# Altium PCB ControllerV3.0.PcbDoc (part 1 of 2)
Units mil, origin at the board's own origin, x right, y up, seen from the top; angles counter-clockwise.
Board outline 2047.87 x 1968.5 mil, 4 copper layers (Top, Gnd, Signal, Bottom), stack 64 mil thick; 96 components, 90 nets, 382 pads, 224 vias.
Unrouted connection lines stored in the file: 72.
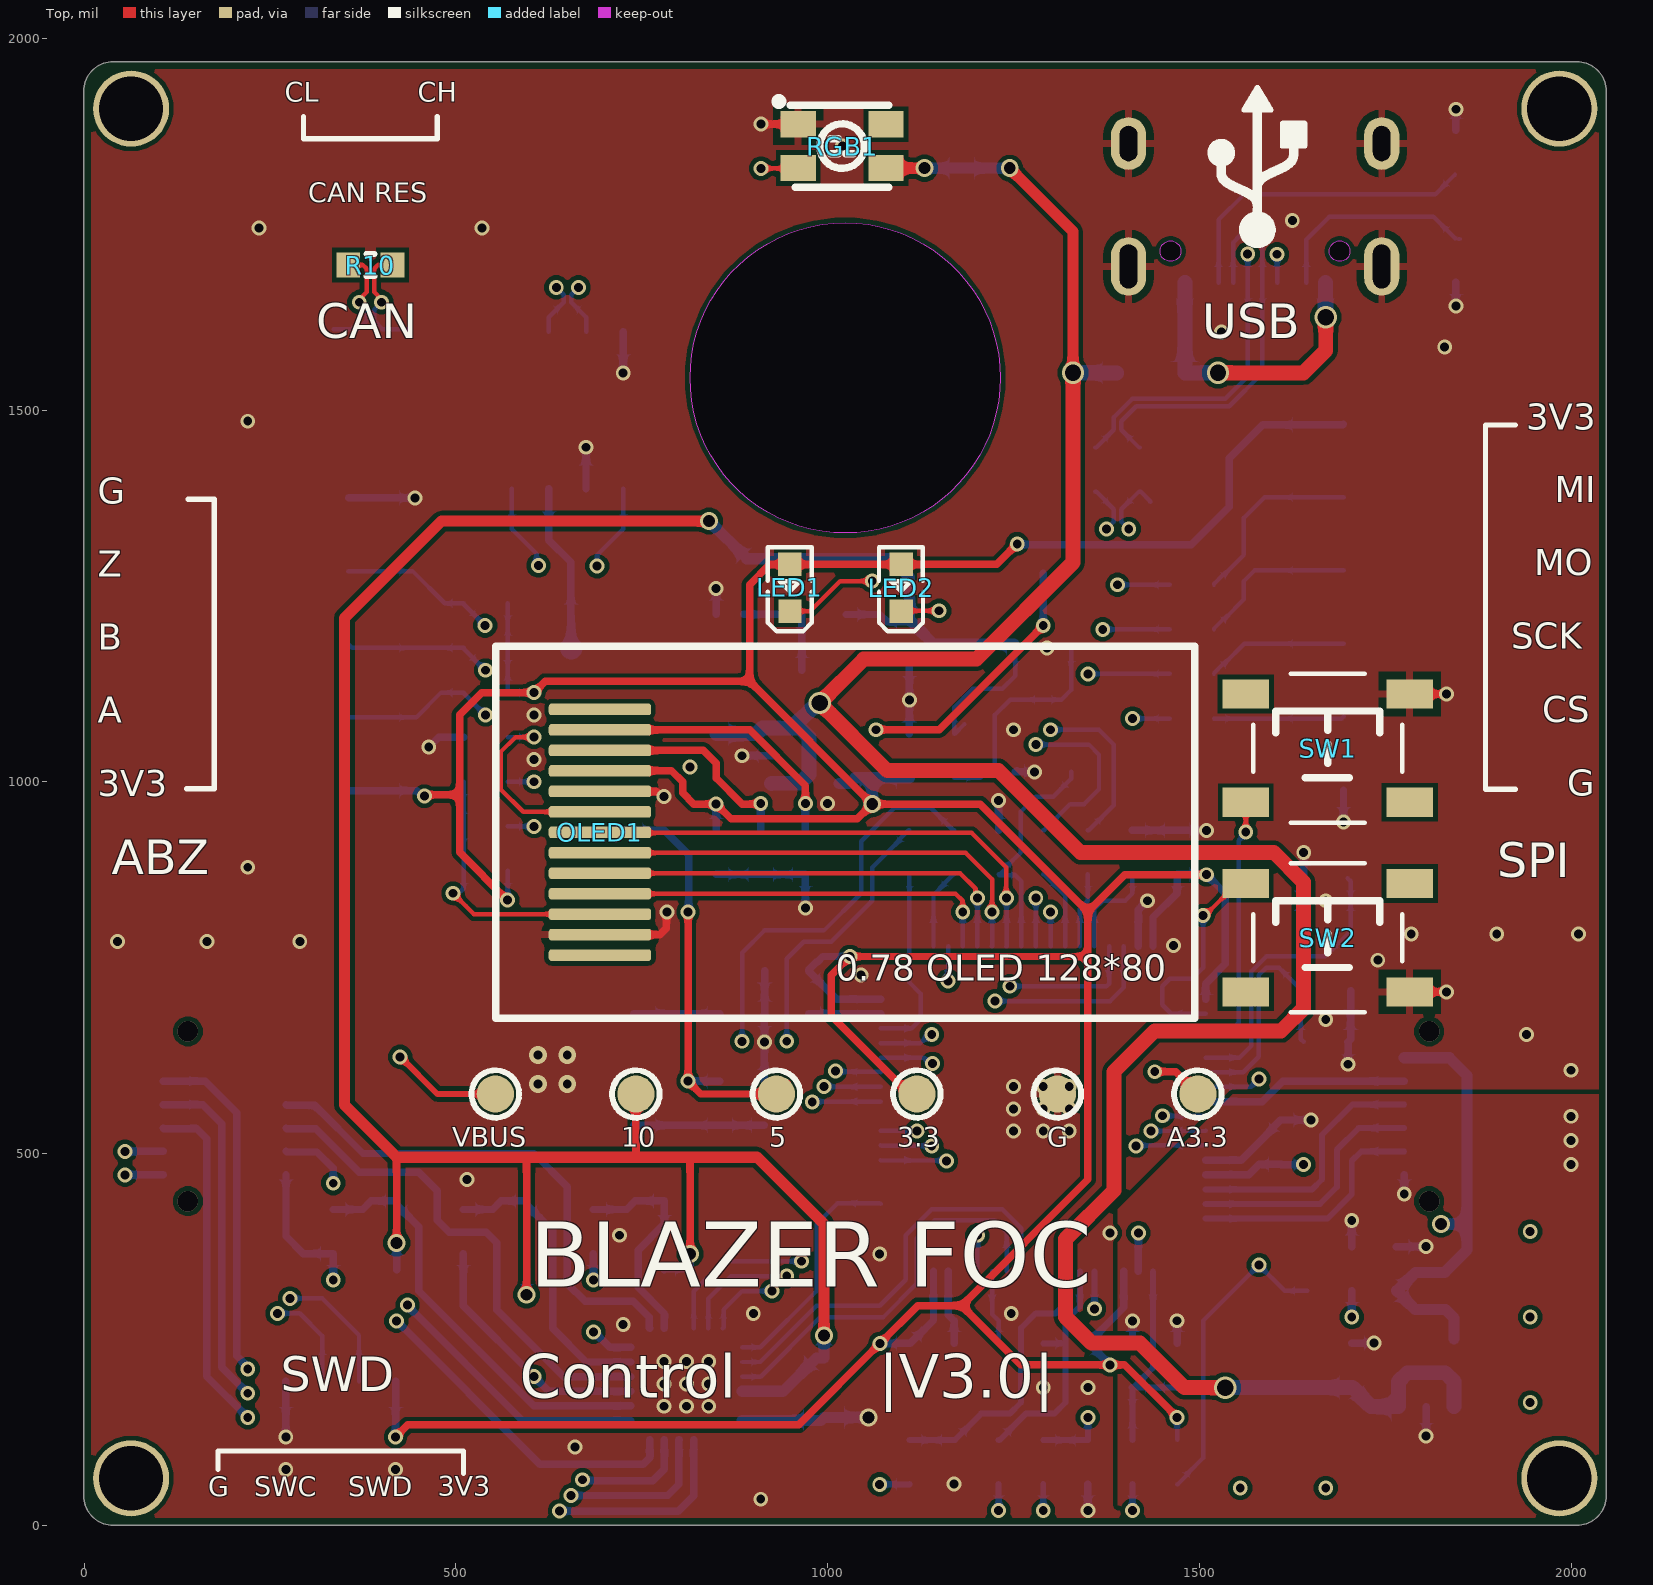
[diagram p0: Top view]
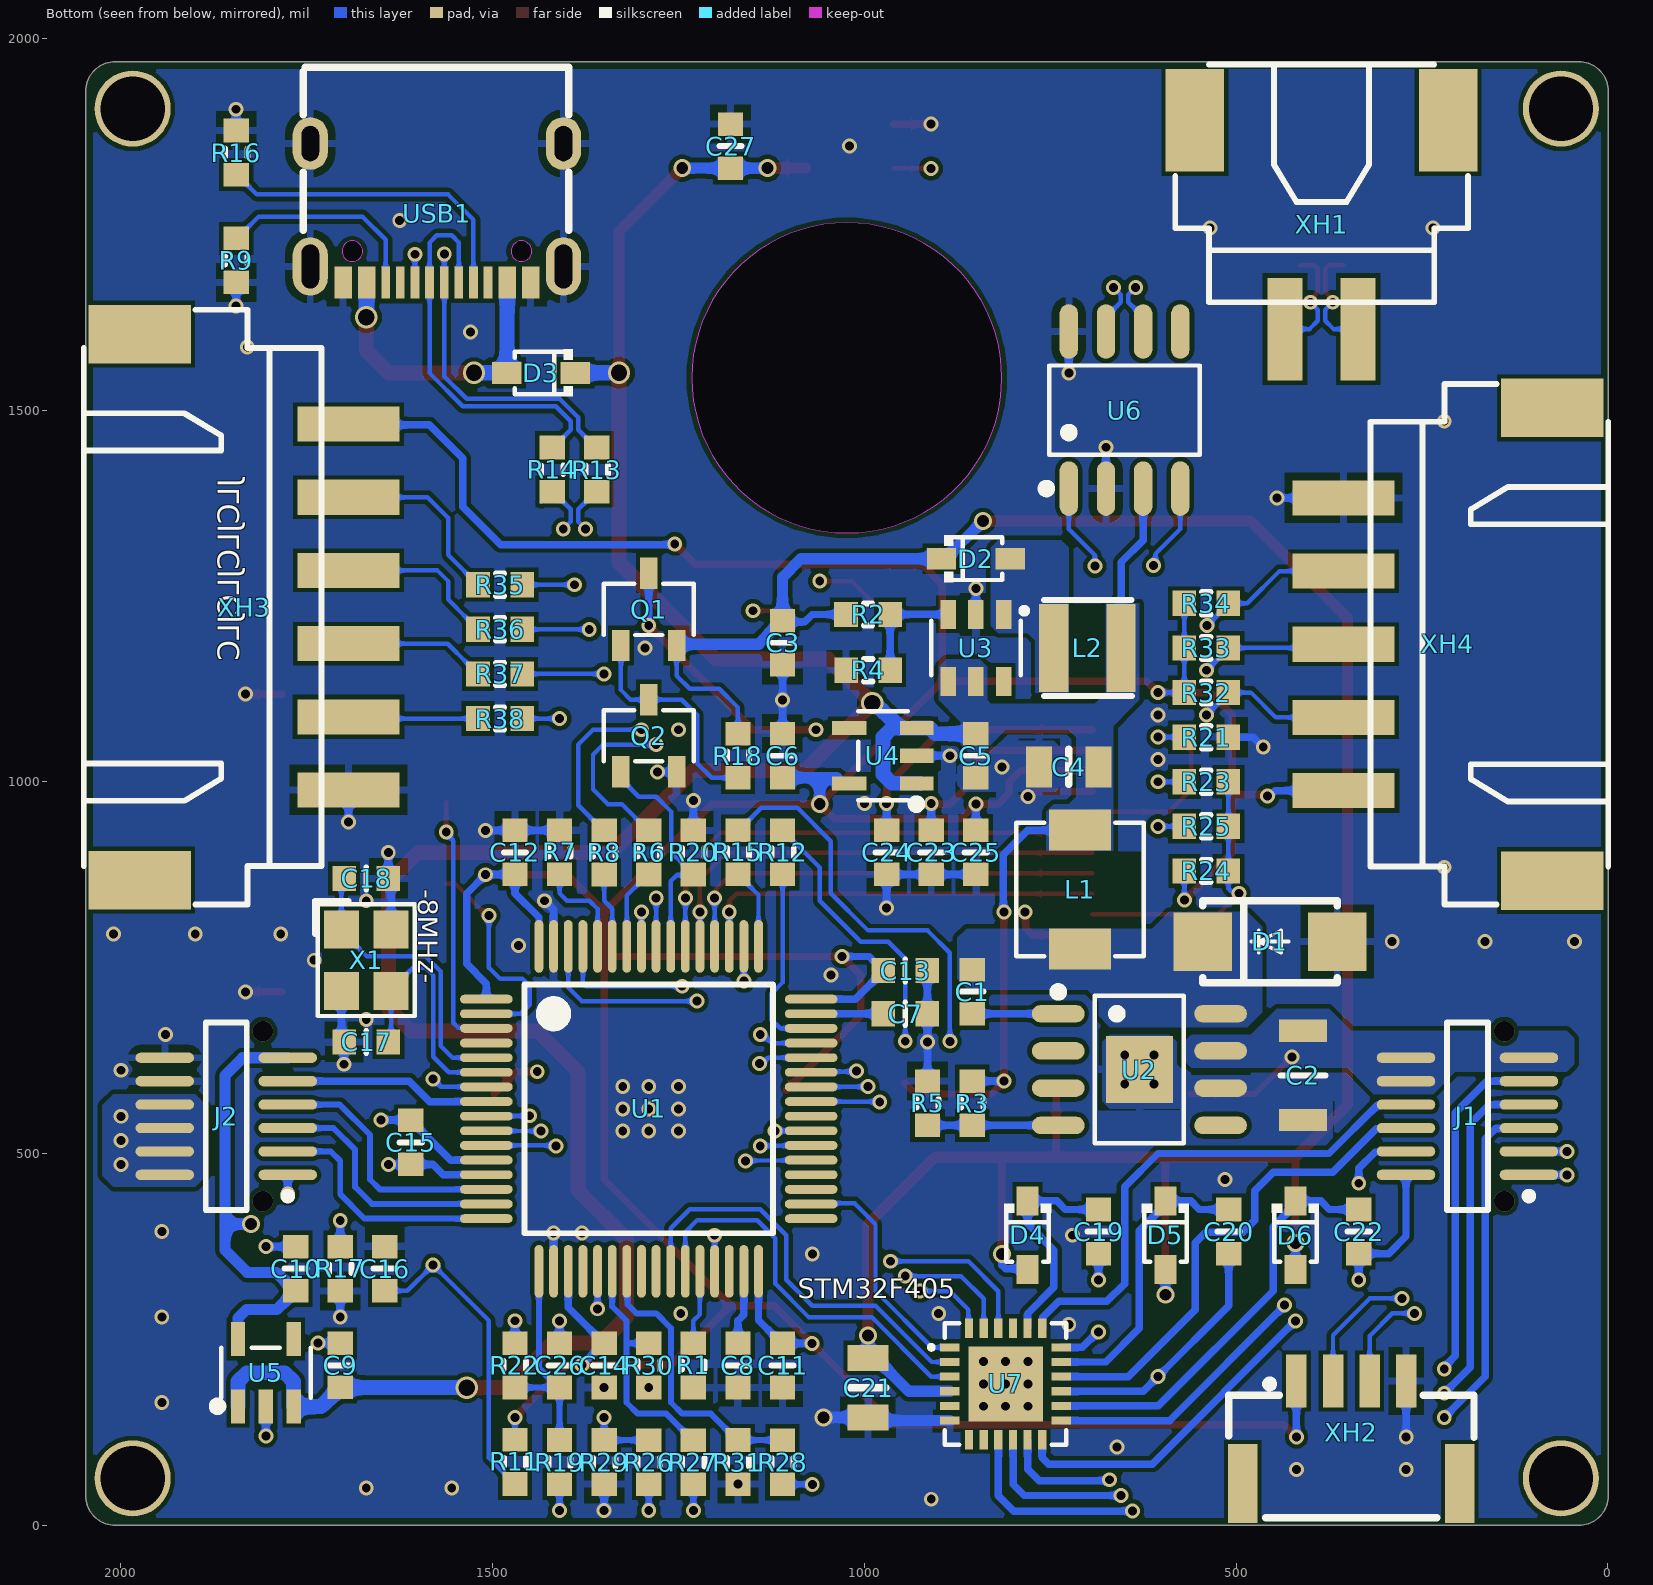
[diagram p1: Bottom view, seen from below]
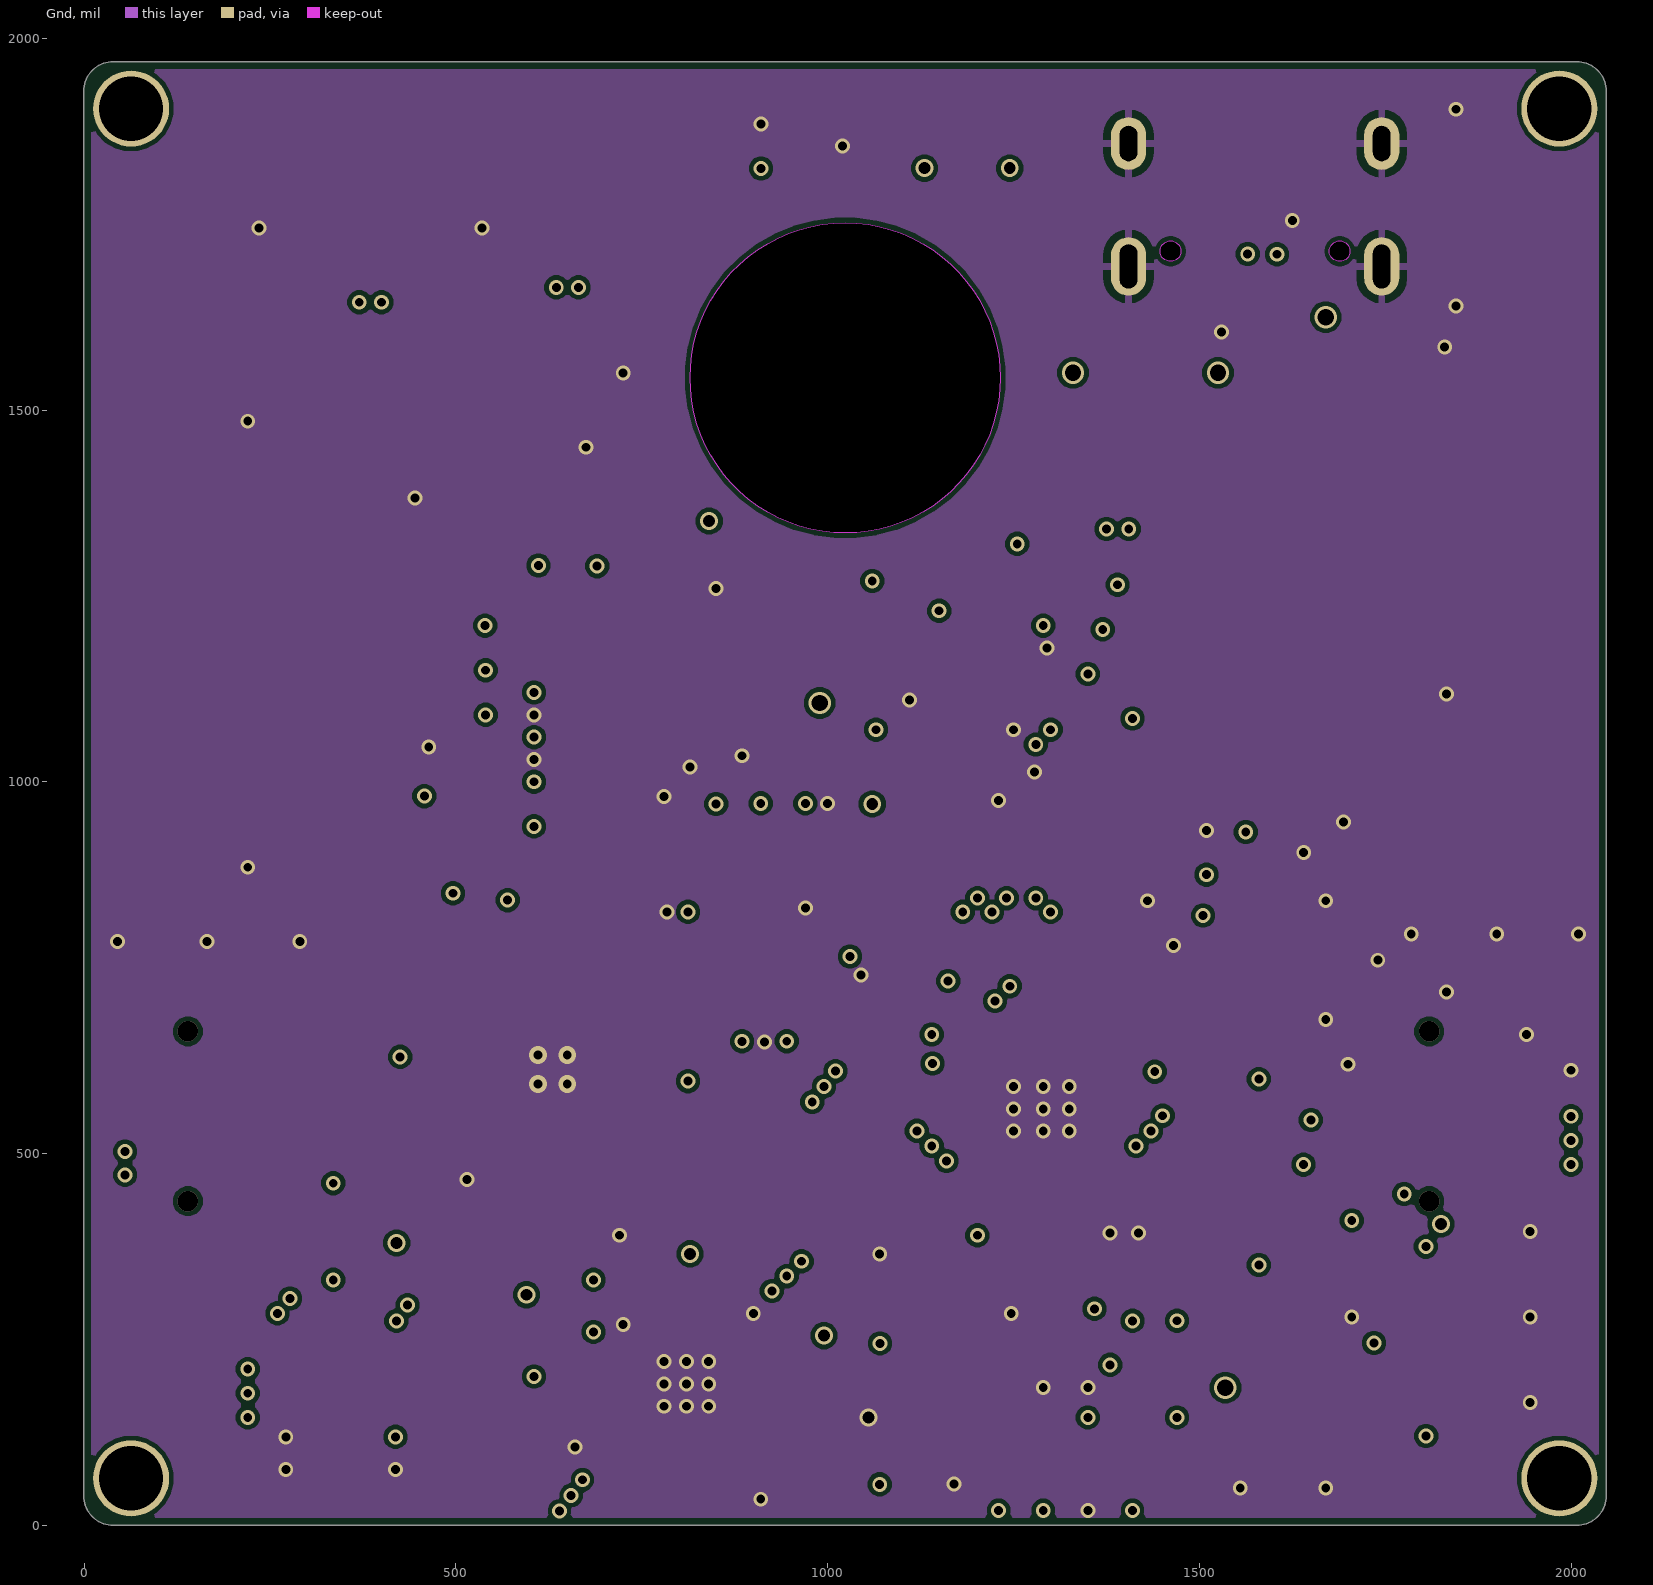
[diagram p2: Gnd]
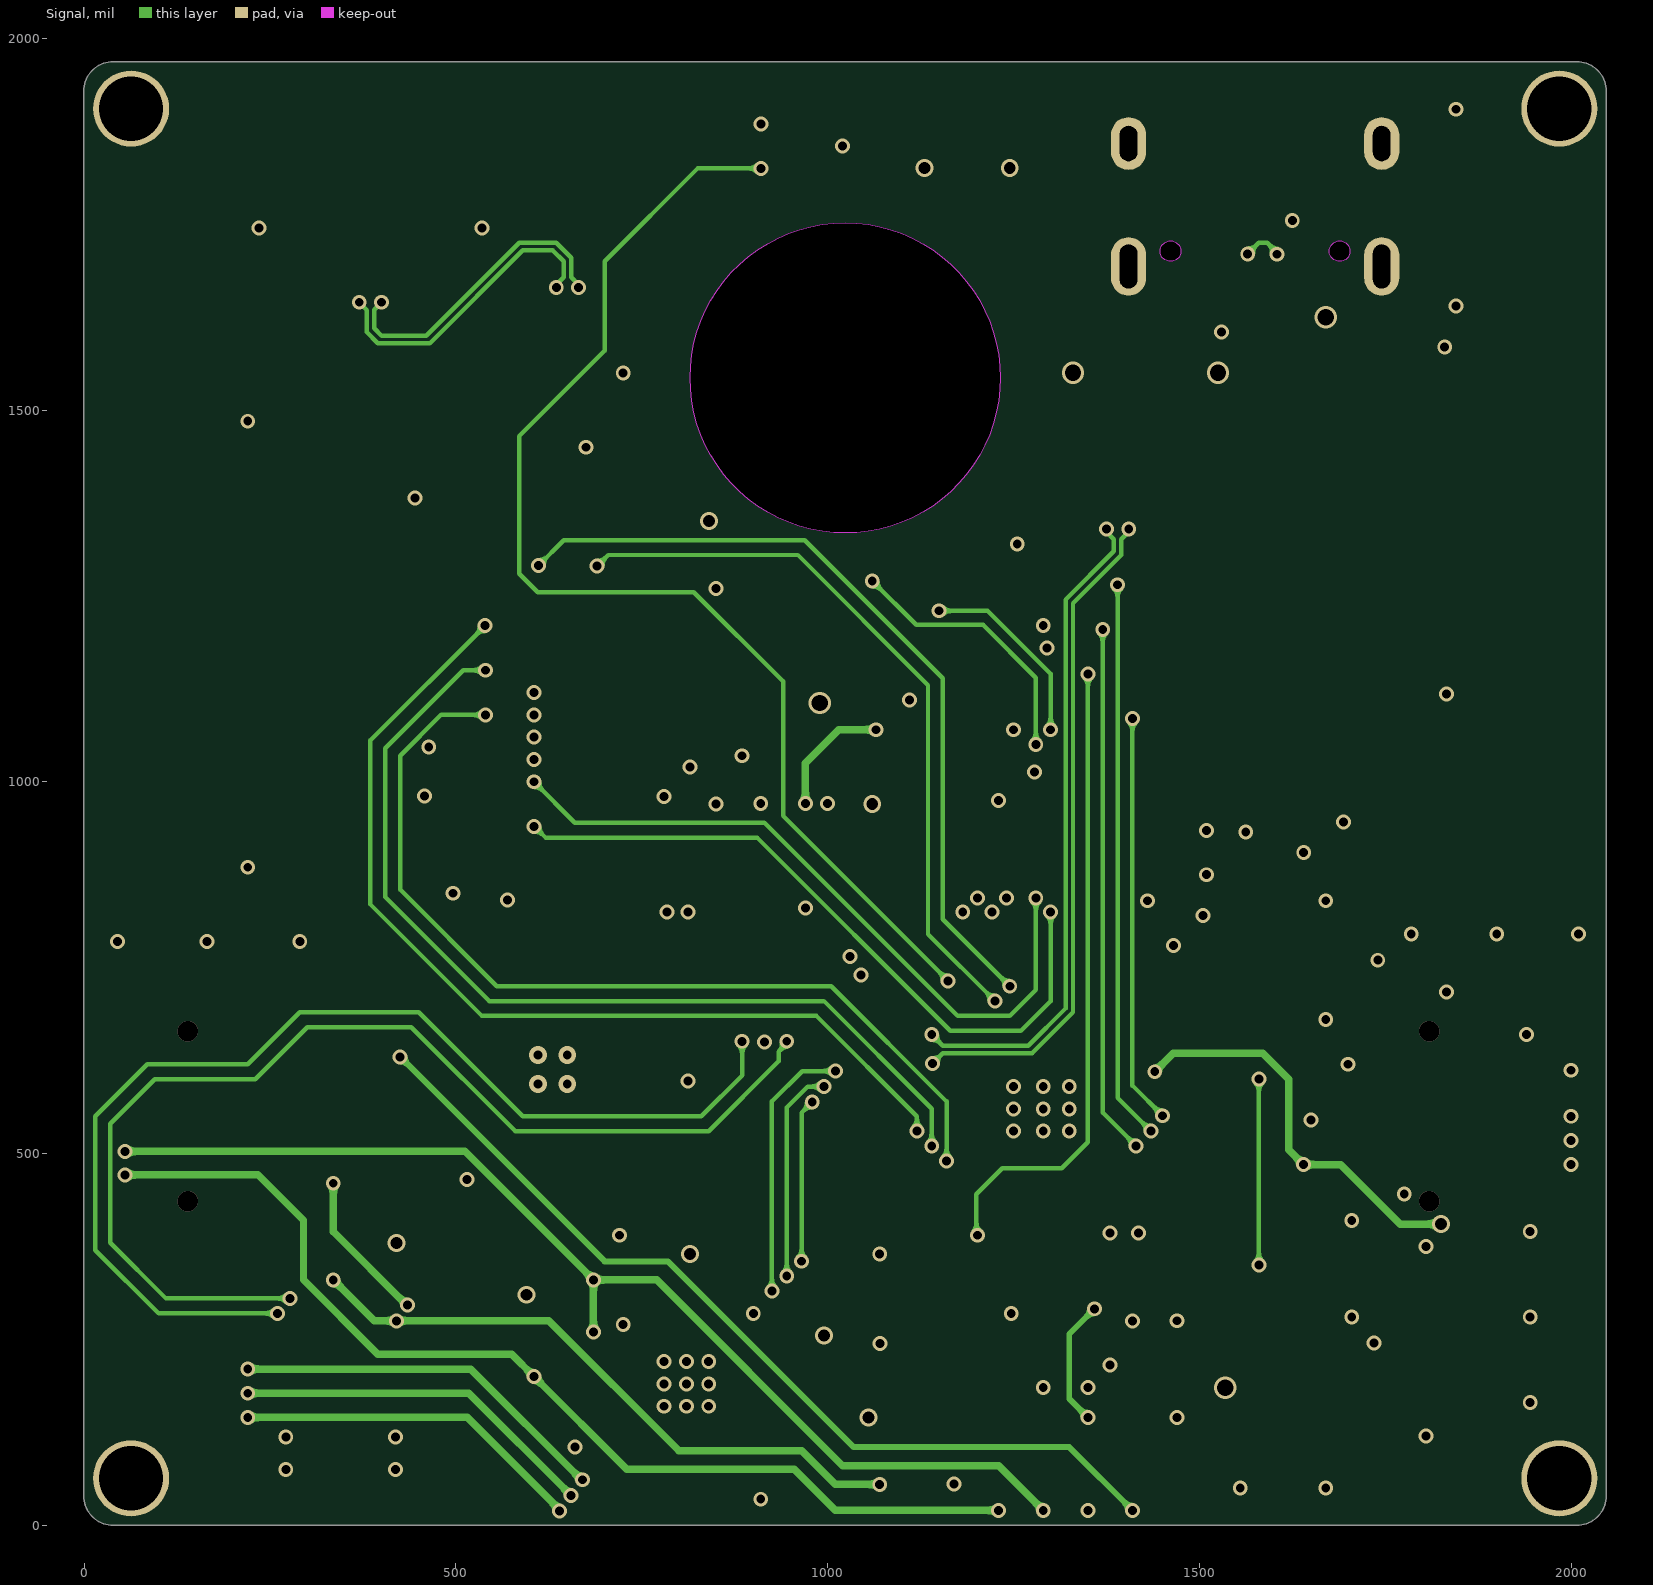
[diagram p3: Signal]
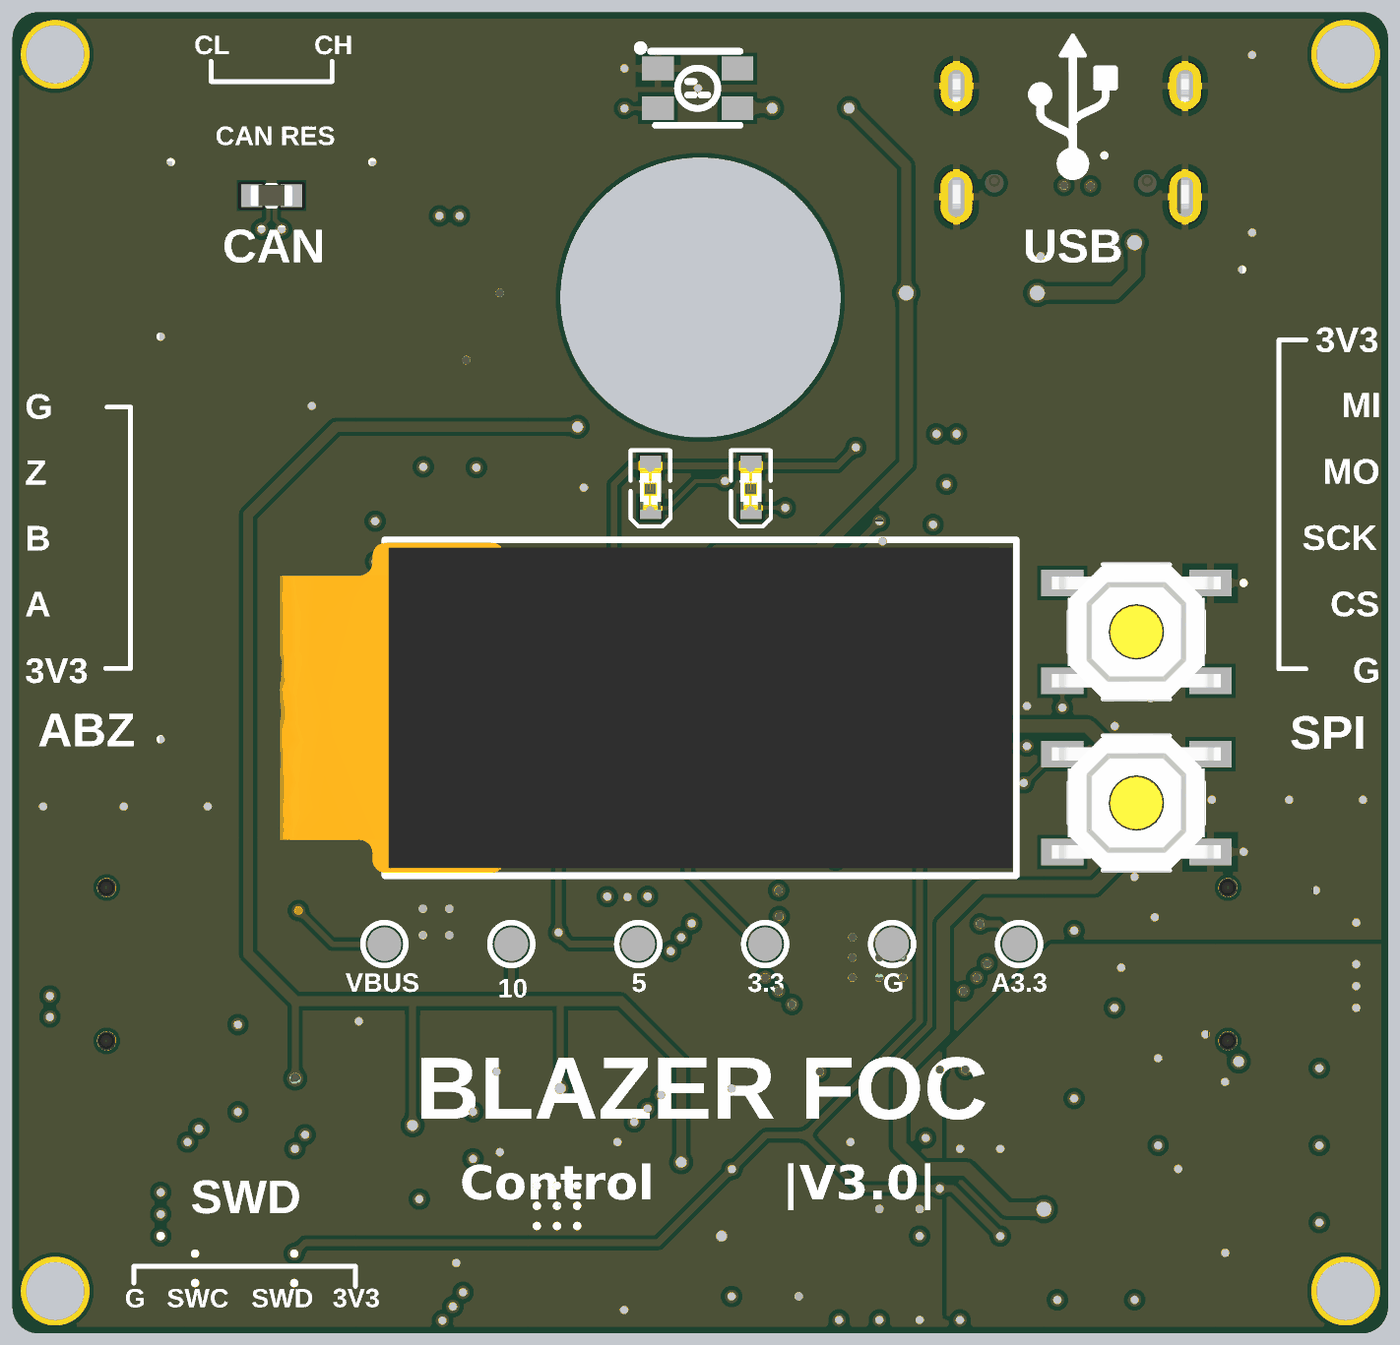
[diagram p5: 3D render of the assembled board from above, using the file's embedded part models]